# Allegro board SG2042_EVB_V1_1.brd (continued)
## Routing (per net, layer and track width the routed paths; a pad name or vN(x,y) marks a point on that pad's centre or on a via; arc(x,y) is an arc through that point) (continued)
  ART03 w0.102: v1(235.94,219.48) 236.73,220.27 246.71,220.27 v1(246.89,220.09) ; v1(235.94,219.48) 235.15,220.27 213.59,220.27 212.39,219.07 202.01,219.07 201.15,218.22 198.15,218.22 197.3,219.07 178.29,219.07 172.62,213.41 113.83,213.41 112.53,214.71 106.13,214.71 104.83,213.41 87.57,213.41 87.01,213.97 81.3,213.97 80.69,213.36 48.21,213.36 v1(46.71,211.86) 46.04,211.86 44.82,210.64 v1(42.52,210.64) ; v1(235.94,219.48) 235.56,219.1 234.49,219.1 v1(234.11,219.48) 233.93,219.66 213.84,219.66 212.64,218.47 212.31,218.47 202.26,218.47 200.35,216.56 200.02,216.56 176.63,216.56 172.88,212.8 113.57,212.8 112.28,214.1 106.38,214.1 105.08,212.8 87.32,212.8 86.76,213.36 81.56,213.36 80.95,212.75 48.73,212.75 46.63,210.64 v1(45.49,210.64) ; 173.62,207.72 200.26,207.72 203.57,211.02 222.58,211.02 J2014.4 224.26,211.02 231.57,211.02 232.61,212.06 245.52,212.06 v1(246.56,211.02) ; 173.62,207.72 84.79,207.72 v1(84.4,208.1) 84.02,207.72 57.13,207.72 54.31,204.91 54.31,203.35 ; 173.62,207.72 179.13,202.21 v1(181.81,202.21) ; 136.22,230.25 139.47,233.5 254.25,233.5 v1(255.42,232.33) 255.04,231.95 254.08,231.95 v1(253.7,232.33) 252.93,233.1 139.64,233.1 136.39,229.84 88.7,229.84 85.32,226.47 85.32,225.58 v1(84.61,224.87) ; v1(126.62,203.61) 124.94,205.28 58.28,205.28 57.82,204.82 57.82,204.01 v1(57.44,203.63) 57.06,204.01 57.06,204.65 58.09,205.69 134.59,205.69 v1(136.68,203.61) ; 119.28,221.61 126.5,228.83 136.81,228.83 139.5,231.52 252.48,231.52 v1(253.7,230.3) ; v1(246.56,212.34) 246.43,212.47 232.44,212.47 231.4,211.43 203.4,211.43 200.1,208.13 85.38,208.13 84.82,208.69 83.77,208.69 v1(83.19,208.1) ; v1(106.5,203.61) 105.64,204.47 59.45,204.47 v1(58.61,203.63) 58.23,204.01 58.23,204.65 58.45,204.88 115.29,204.88 v1(116.56,203.61) ; 201.67,219.89 200.82,219.03 198.49,219.03 197.64,219.89 ; 201.67,219.89 197.64,219.89 ; 201.67,219.89 212.05,219.89 213.6,221.44 228.8,221.44 229.15,221.08 236.37,221.08 v1(236.96,221.67) 236.58,222.05 236.12,222.05 v1(235.74,221.67) 235.36,222.05 230.28,222.05 v1(230.1,221.87) 229.72,221.49 229.32,221.49 228.96,221.84 213.44,221.84 211.89,220.29 177.78,220.29 172.12,214.63 114.33,214.63 113.04,215.93 105.62,215.93 104.32,214.63 88.08,214.63 87.52,215.19 80.8,215.19 80.19,214.58 47.03,214.58 45.53,213.08 v1(44.96,213.08) ; v1(146.74,203.61) 144.25,206.1 57.93,206.1 56.65,204.82 56.65,204.01 v1(56.27,203.63) 55.89,204.01 55.89,204.76 57.63,206.5 153.9,206.5 v1(156.79,203.61) ; v1(96.44,203.61) 95.99,204.06 60.21,204.06 v1(59.78,203.63) ; v1(60.78,192.86) 60.78,192.58 59.13,190.93 37.54,190.93 36.6,191.87 36.6,192.41 ; v1(44.15,212.27) 45.3,212.27 47.2,214.17 80.36,214.17 80.97,214.78 87.35,214.78 87.91,214.22 104.49,214.22 105.79,215.52 112.87,215.52 114.16,214.22 172.29,214.22 177.95,219.89 197.64,219.89 ; v1(46.3,211.46) 46.86,211.46 48.56,213.16 80.78,213.16 81.39,213.77 86.93,213.77 87.49,213.21 104.91,213.21 106.21,214.5 112.45,214.5 113.74,213.21 172.71,213.21 176.47,216.97 200.19,216.97 202.09,218.87 212.48,218.87 213.67,220.07 234.75,220.07 v1(235.33,219.48) ; 37.52,192.41 37.52,191.87 38.05,191.34 50.77,191.34 54.14,194.72 60.15,194.72 60.44,195.01 ; v1(60.94,203.63) 60.56,203.25 60.56,202.61 62.1,201.07 62.1,197.25 59.98,195.12 54.31,195.12 54.31,195.12 53.98,195.12 50.6,191.74 39.09,191.74 v1(37.97,192.86) ; v1(176.91,203.61) 173.2,207.31 57.3,207.31 54.72,204.74 54.72,204.01 v1(55.1,203.63) 55.48,204.01 55.48,204.93 57.46,206.91 163.55,206.91 v1(166.85,203.61) ; v1(118.85,222.61) 119.7,222.61 126.33,229.24 136.64,229.24 139.34,231.93 252.93,231.93 v1(253.7,231.17) 254.08,231.55 255.64,231.55 255.79,231.4 ; v1(248.11,220.09) 247.52,220.68 225.7,220.68 v1(225.32,221.06) 224.94,220.68 213.42,220.68 212.22,219.48 201.84,219.48 200.98,218.63 198.32,218.63 197.47,219.48 178.12,219.48 172.45,213.82 114,213.82 112.7,215.11 105.96,215.11 104.66,213.82 87.74,213.82 87.18,214.38 81.14,214.38 80.53,213.77 47.37,213.77 45.06,211.46 v1(43.33,211.46)
  ART03 w0.254: 205.96,82.96 J1.96 ; J1.96 205.96,84.28 ; J1.96 206.62,83.62 ; J1.96 205.3,83.62 ; 209.76,157.76 J1.158 ; J1.158 209.1,158.42 ; J1.158 209.76,159.08 ; J1.158 210.42,158.42 ; 69.98,66.81 J3.259 ; J3.259 70.65,67.47 ; J3.259 69.32,67.47 ; J3.259 69.98,68.13 ; J3.22 68.45,151.62 ; J3.22 67.78,152.28 ; J3.22 67.78,150.96 ; J3.22 67.12,151.62 ; J3.283 69.19,47.07 ; J3.105 66.85,75.97 ; J3.105 65.52,75.97 ; J3.105 66.18,76.63 ; J3.105 66.18,75.31 ; J2.17 195.62,155.87 ; J2.17 194.96,155.21 ; J2.17 194.3,155.87 ; J2.17 194.96,156.53 ; 209.76,57.46 J1.270 ; J1.270 209.76,58.78 ; J1.270 210.42,58.12 ; J1.270 209.1,58.12 ; 204.36,77.01 J1.103 ; J1.103 204.36,78.33 ; J1.103 203.7,77.67 ; J1.103 205.02,77.67 ; 74.92,123.57 J4.55 ; J4.55 76.24,123.57 ; J4.55 75.58,124.23 ; 76.52,83.62 J4.96 ; J4.96 77.18,84.28 ; J4.96 77.84,83.62 ; J4.96 77.18,82.96 ; 195.9,153.32 J2.20 ; J2.20 196.56,153.98 ; J2.20 197.22,153.32 ; J2.20 196.56,152.66 ; J4.243 79.38,81.73 ; J4.243 78.72,81.07 ; J4.243 80.04,81.07 ; J4.243 79.38,80.41 ; J1.241 208.82,82.77 ; J1.241 207.5,82.77 ; J1.241 208.16,82.11 ; J1.241 208.16,83.43 ; J1.254 210.42,71.72 ; J1.254 209.76,71.06 ; J1.254 209.76,72.38 ; J1.254 209.1,71.72 ; 198.1,84.47 J2.239 ; J2.239 198.76,83.81 ; J2.239 199.42,84.47 ; J3.147 70.65,167.77 ; J3.147 69.32,167.77 ; J3.147 69.98,168.43 ; J3.147 69.98,167.11 ; 67.12,129.52 J3.48 ; J3.48 68.45,129.52 ; J3.48 67.78,130.18 ; J3.48 67.78,128.86 ; J3.103 66.85,77.67 ; J3.103 66.18,77.01 ; J3.103 65.52,77.67 ; J3.103 66.18,78.33 ; 67.12,165.22 J3.6 ; J3.6 67.78,165.88 ; J3.6 68.45,165.22 ; J3.6 67.78,164.56 ; J2.50 196.56,128.48 ; J2.50 196.56,127.16 ; J2.50 197.22,127.82 ; J2.50 195.9,127.82 ; 205.96,133.58 J1.44 206.62,132.92 ; 209.1,53.02 J1.276 ; J1.276 209.76,52.36 ; J1.276 210.42,53.02 ; J1.276 209.76,53.68 ; J3.193 69.98,129.33 ; J3.193 69.32,128.67 ; J3.193 69.98,128.01 ; J3.193 70.65,128.67 ; J3.243 69.98,81.73 ; J3.243 69.32,81.07 ; J3.243 69.98,80.41 ; J3.243 70.65,81.07 ; J1.112 206.62,70.02 ; J1.112 205.96,70.68 ; J1.112 205.3,70.02 ; J1.112 205.96,69.36 ; 209.76,74.46 J1.250 ; J1.250 209.1,75.12 ; J1.250 209.76,75.78 ; J1.250 210.42,75.12 ; 66.18,73.61 J3.107 ; J3.107 66.85,74.27 ; J3.107 66.18,74.93 ; J3.107 65.52,74.27 ; J1.98 206.62,81.92 ; J1.98 205.3,81.92 ; J1.98 205.96,81.26 ; J1.98 205.96,82.58 ; J3.24 68.45,149.92 ; J3.24 67.12,149.92 ; J3.24 67.78,150.58 ; 198.76,126.31 J2.195 ; J2.195 198.1,126.97 ; J2.195 198.76,127.63 ; J2.195 199.42,126.97 ; 209.1,156.72 J1.160 ; J1.160 209.76,156.06 ; J1.160 210.42,156.72 ; J1.160 209.76,157.38 ; J4.160 80.98,157.38 ; J4.160 81.64,156.72 ; J4.160 80.32,156.72 ; 76.52,129.52 J4.48 ; J4.48 77.84,129.52 ; J4.48 77.18,128.86 ; 207.5,128.67 J1.193 ; J1.193 208.16,128.01 ; J1.193 208.82,128.67 ; J1.193 208.16,129.33 ; 209.1,155.02 J1.162 ; J1.162 209.76,155.68 ; J1.162 210.42,155.02 ; J1.162 209.76,154.36 ; 195.9,70.02 J2.112 ; J2.112 197.22,70.02 ; J2.112 196.56,70.68 ; J2.112 196.56,69.36 ; 198.1,150.77 J2.167 ; J2.167 198.76,151.43 ; J2.167 199.42,150.77 ; 71.58,71.06 J3.254 ; J3.254 71.58,72.38 ; J3.254 70.92,71.72 ; J3.254 72.25,71.72 ; 75.58,78.71 J4.101 ; J4.101 75.58,80.03 ; J4.101 74.92,79.37 ; J4.101 76.24,79.37 ; 80.32,75.12 J4.250 ; J4.250 80.98,75.78 ; J4.250 80.98,74.46 ; 65.52,72.57 J3.109 ; J3.109 66.85,72.57 ; J3.109 66.18,73.23 ; J3.109 66.18,71.91 ; J1.187 208.16,134.43 ; J1.187 208.82,133.77 ; J1.187 207.5,133.77 ; J4.4 77.18,167.58 ; J4.4 77.84,166.92 ; J4.4 76.52,166.92 ; J4.4 77.18,166.26 ; J3.136 67.02,49.62 ; 209.76,136.98 J1.184 210.42,136.32 ; 205.96,167.96 J1.2 ; J1.2 205.3,168.62 ; J1.2 205.96,169.28 ; J1.2 206.62,168.62 ; J3.33 66.18,142.93 ; J3.33 65.52,142.27 ; J3.33 66.85,142.27 ; J3.33 66.18,141.61 ; 209.76,55.76 J1.272 ; J1.272 210.42,56.42 ; J1.272 209.1,56.42 ; J1.272 209.76,57.08 ; J2.158 201.02,158.42 ; J2.158 199.7,158.42 ; J2.158 200.36,157.76 ; J2.158 200.36,159.08 ; J3.151 69.98,165.03 ; J3.151 70.65,164.37 ; J3.151 69.98,163.71 ; J3.151 69.32,164.37 ; 70.1,233.82 ATXPWR1.15 ; ATXPWR1.15 71.56,235.28 ; ATXPWR1.15 73.02,233.82 ; ATXPWR1.15 71.56,232.35 ; J4.257 80.04,69.17 ; J4.257 78.72,69.17 ; J4.257 79.38,68.51 ; J4.257 79.38,69.83 ; 204.36,160.31 J1.11 ; J1.11 205.02,160.97 ; J1.11 203.7,160.97 ; J1.11 204.36,161.63 ; 209.76,120.36 J1.202 ; J1.202 210.42,121.02 ; J1.202 209.76,121.68 ; J1.202 209.1,121.02 ; J2.149 199.42,166.07 ; J2.149 198.76,166.73 ; J2.149 198.1,166.07 ; J2.149 198.76,165.41 ; 203.7,74.27 J1.107 ; J1.107 204.36,73.61 ; J1.107 204.36,74.93 ; J1.107 205.02,74.27 ; 67.78,67.66 J3.114 ; J3.114 67.78,68.98 ; J3.114 68.45,68.32 ; J3.114 67.12,68.32 ; 78.72,167.77 J4.147 ; J4.147 80.04,167.77 ; J4.147 79.38,168.43 ; J4.147 79.38,167.11 ; 77.18,84.66 J4.94 77.84,85.32 ; 80.32,73.42 J4.252 ; J4.252 80.98,74.08 ; J4.252 80.98,72.76 ; 66.18,124.61 J3.53 ; J3.53 66.18,125.93 ; J3.53 65.52,125.27 ; J3.53 66.85,125.27 ; J3.35 66.18,141.23 ; J3.35 66.18,139.91 ; J3.35 66.85,140.57 ; J3.35 65.52,140.57 ; 80.98,77.86 J4.246 ; J4.246 80.32,78.52 ; J4.246 80.98,79.18 ; 70.92,158.42 J3.158 ; J3.158 71.58,159.08 ; J3.158 72.25,158.42 ; J3.158 71.58,157.76 ; 69.98,82.11 J3.241 ; J3.241 69.32,82.77 ; J3.241 69.98,83.43 ; J3.241 70.65,82.77 ; J1.252 210.42,73.42 ; J1.252 209.76,74.08 ; J1.252 209.76,72.76 ; J1.252 209.1,73.42 ; J1.165 208.16,153.13 ; J1.165 208.16,151.81 ; J1.165 208.82,152.47 ; J1.165 207.5,152.47 ; J3.129 66.85,55.57 ; J3.129 66.18,54.91 ; J3.129 65.52,55.57 ; J3.129 66.18,56.23 ; 80.32,158.42 J4.158 ; J4.158 80.98,159.08 ; J4.158 80.98,157.76 ; J4.158 81.64,158.42 ; J2.15 194.96,158.23 ; J2.15 194.3,157.57 ; J2.15 194.96,156.91 ; J2.15 195.62,157.57 ; 209.1,78.52 J1.246 ; J1.246 209.76,79.18 ; J1.246 210.42,78.52 ; J1.246 209.76,77.86 ; J3.156 71.58,160.78 ; J3.156 71.58,159.46 ; J3.156 70.92,160.12 ; J3.156 72.25,160.12 ; 80.98,154.36 J4.162 ; J4.162 80.42,154.46 ; J4.162 81.64,155.02 ; 67.78,152.66 J3.20 ; J3.20 67.12,153.32 ; J3.20 68.45,153.32 ; 205.96,150.96 J1.22 ; J1.22 205.96,152.28 ; J1.22 206.62,151.62 ; J1.22 205.3,151.62 ; 207.5,130.37 J1.191 ; J1.191 208.16,129.71 ; J1.191 208.82,130.37 ; 75.58,75.31 J4.105 ; J4.105 76.24,75.97 ; J4.105 75.58,76.63 ; J4.105 74.92,75.97 ; J1.248 209.76,77.48 ; J1.248 210.42,76.82 ; J1.248 209.1,76.82 ; J1.248 209.76,76.16 ; J2.109 195.62,72.57 ; J2.109 194.96,71.91 ; J2.109 194.96,73.23 ; J4.107 76.24,74.27 ; J4.107 75.58,73.61 ; J4.107 74.92,74.27 ; J4.107 75.58,74.93 ; J1.55 204.36,124.23 ; J1.55 205.02,123.57 ; J1.55 204.36,122.91 ; J1.55 203.7,123.57 ; J3.200 72.25,122.72 ; J3.200 70.92,122.72 ; J3.200 71.58,123.38 ; J2.13 195.62,159.27 ; J2.13 194.3,159.27 ; J2.13 194.96,159.93 ; J2.13 194.96,158.61 ; 76.52,70.02 J4.112 ; J4.112 77.84,70.02 ; J4.112 77.18,69.36 ; J4.112 77.18,70.68 ; 199.7,76.82 J2.248 ; J2.248 201.02,76.82 ; J2.248 200.36,76.16 ; J2.248 200.36,77.48 ; J1.259 208.16,68.13 ; J1.259 208.16,66.81 ; J1.259 207.5,67.47 ; J1.259 208.82,67.47 ; J2.11 195.62,160.97 ; J2.11 194.96,160.31 ; J2.11 194.3,160.97 ; J2.11 194.96,161.63 ; 203.7,157.57 J1.15 ; J1.15 205.02,157.57 ; J1.15 204.36,158.23 ; J1.15 204.36,156.91 ; 78.72,152.47 J4.165 ; J4.165 80.04,152.47 ; J4.165 79.38,151.81 ; J4.165 79.38,153.13 ; J2.259 198.76,68.13 ; J2.259 198.1,67.47 ; J2.259 199.42,67.47 ; 200.36,159.46 J2.156 ; J2.156 199.7,160.12 ; J2.156 201.02,160.12 ; J2.156 200.36,160.78 ; 67.12,146.52 J3.28 ; J3.28 67.78,145.86 ; J3.28 68.45,146.52 ; J4.11 75.58,161.63 ; J4.11 75.58,160.31 ; J4.11 74.92,160.97 ; J4.11 76.24,160.97 ; 67.12,81.92 J3.98 ; J3.98 67.78,81.26 ; J3.98 67.78,82.58 ; J3.98 68.45,81.92 ; J2.98 197.22,81.92 ; J2.98 196.56,81.26 ; J2.98 196.56,82.58 ; J2.98 195.9,81.92 ; J4.151 79.38,165.03 ; J4.151 78.72,164.37 ; J4.151 79.38,163.71 ; J4.151 80.04,164.37 ; J4.193 80.04,128.67 ; J4.193 79.38,128.01 ; J4.193 79.38,129.33 ; J4.193 78.72,128.67 ; 209.1,139.72 J1.180 ; J1.180 209.76,139.06 ; J1.180 210.42,139.72 ; J1.180 209.76,140.38 ; 80.98,123.76 J4.198 ; J4.198 80.98,125.08 ; J4.198 80.32,124.42 ; 198.1,128.67 J2.193 ; J2.193 198.76,128.01 ; J2.193 198.76,129.33 ; J2.193 199.42,128.67 ; J3.2 67.78,169.28 ; J3.2 67.78,167.96 ; J3.2 67.12,168.62 ; J3.2 68.45,168.62 ; 203.7,121.87 J1.57 ; J1.57 205.02,121.87 ; J1.57 204.36,122.53 ; 70.1,238.02 ATXPWR1.3 ; ATXPWR1.3 71.56,239.48 ; ATXPWR1.3 73.02,238.02 ; ATXPWR1.3 71.56,236.55 ; 200.36,77.86 J2.246 ; J2.246 201.02,78.52 ; J2.246 199.7,78.52 ; J2.246 200.36,79.18 ; 209.76,54.06 J1.274 ; J1.274 210.42,54.72 ; J1.274 209.1,54.72 ; J1.274 209.76,55.38 ; 208.16,150.11 J1.167 ; J1.167 208.82,150.77 ; J1.167 207.5,150.77 ; J1.167 208.16,151.43 ; 208.82,62.37 J1.265 208.16,61.71 ; 69.98,165.41 J3.149 ; J3.149 69.32,166.07 ; J3.149 69.98,166.73 ; J3.149 70.65,166.07 ; J3.15 66.85,157.57 ; J3.15 65.52,157.57 ; J3.15 66.18,158.23 ; J3.15 66.18,156.91 ; 209.76,59.16 J1.268 210.42,59.82 ; J4.241 80.04,82.77 ; J4.241 79.38,82.11 ; J4.241 79.38,83.43 ; J4.241 78.72,82.77 ; J2.48 197.22,129.52 ; J2.48 196.56,128.86 ; J2.48 195.9,129.52 ; 208.16,163.71 J1.151 ; J1.151 208.16,165.03 ; J1.151 208.82,164.37 ; J1.151 207.5,164.37 ; J1.169 208.82,149.07 ; J1.169 207.5,149.07 ; J1.169 208.16,149.73 ; J4.2 77.84,168.62 ; J4.2 76.52,168.62 ; J4.2 77.18,167.96 ; J4.2 77.18,169.28 ; 69.98,150.11 J3.167 ; J3.167 70.65,150.77 ; J3.167 69.32,150.77 ; J3.167 69.98,151.43 ; J3.154 72.25,161.82 ; J3.154 71.58,162.48 ; J3.154 70.92,161.82 ; J3.154 71.58,161.16 ; 208.16,83.81 J1.239 ; J1.239 207.5,84.47 ; J1.239 208.82,84.47 ; J1.239 208.16,85.13 ; 199.7,75.12 J2.250 ; J2.250 201.02,75.12 ; J2.250 200.36,75.78 ; J2.250 200.36,74.46 ; 78.72,84.47 J4.239 ; J4.239 80.04,84.47 ; J4.239 79.38,83.81 ; J3.112 68.45,70.02 ; J3.112 67.78,70.68 ; J3.112 67.12,70.02 ; J3.112 67.78,69.36 ; J1.50 205.96,128.48 ; J1.50 205.96,127.16 ; J1.50 206.62,127.82 ; J1.50 205.3,127.82 ; J1.149 208.82,166.07 ; J1.149 207.5,166.07 ; J1.149 208.16,165.41 ; J1.149 208.16,166.73 ; J3.160 72.25,156.72 ; J3.160 71.58,157.38 ; J3.160 70.92,156.72 ; J1.20 206.62,153.32 ; J1.20 205.96,152.66 ; J1.20 205.3,153.32 ; J1.20 205.96,153.98 ; J2.4 196.56,167.58 ; J2.4 195.9,166.92 ; J2.4 197.22,166.92 ; J2.4 196.56,166.26 ; J1.195 208.16,127.63 ; J1.195 208.82,126.97 ; J1.195 207.5,126.97 ; J1.195 208.16,126.31 ; J2.55 194.96,124.23 ; J2.55 194.96,122.91 ; J2.55 195.62,123.57 ; J3.257 69.98,69.83 ; J3.257 70.65,69.17 ; J3.257 69.32,69.17 ; J3.257 69.98,68.51 ; J1.109 204.36,73.23 ; J1.109 203.7,72.57 ; J1.109 204.36,71.91 ; J1.109 205.02,72.57 ; J3.13 66.18,159.93 ; J3.13 65.52,159.27 ; J3.13 66.18,158.61 ; J3.13 66.85,159.27 ; 74.92,159.27 J4.13 ; J4.13 76.24,159.27 ; J4.13 75.58,158.61 ; J4.13 75.58,159.93 ; J1.105 205.02,75.97 ; J1.105 204.36,76.63 ; J1.105 203.7,75.97 ; J1.105 204.36,75.31 ; 205.3,66.62 J1.116 ; J1.116 206.62,66.62 ; J1.116 205.96,67.28 ; J1.13 205.02,159.27 ; J1.13 203.7,159.27 ; J1.13 204.36,159.93 ; J1.13 204.36,158.61 ; J2.105 194.96,76.63 ; J2.105 194.96,75.31 ; J2.105 195.62,75.97 ; J1.257 208.82,69.17 ; J1.257 208.16,69.83 ; J1.257 207.5,69.17 ; J1.257 208.16,68.51 ; J4.254 80.98,72.38 ; J4.254 80.32,71.72 ; J4.254 80.98,71.06 ; 71.58,72.76 J3.252 ; J3.252 71.58,74.08 ; J3.252 70.92,73.42 ; J3.252 72.25,73.42 ; J2.252 200.36,74.08 ; J2.252 201.02,73.42 ; J2.252 200.36,72.76 ; J2.252 199.7,73.42 ; 66.18,121.21 J3.57 ; J3.57 65.52,121.87 ; J3.57 66.85,121.87 ; J3.57 66.18,122.53 ; J1.17 204.36,156.53 ; J1.17 205.02,155.87 ; J1.17 204.36,155.21 ; J1.17 203.7,155.87 ; J3.125 66.85,58.97 ; J3.125 65.52,58.97 ; J3.125 66.18,58.31 ; J3.125 66.18,59.63 ; 78.72,126.97 J4.195 ; J4.195 79.38,127.63 ; J4.195 80.04,126.97 ; J4.195 79.38,126.31 ; 71.58,76.16 J3.248 ; J3.248 72.25,76.82 ; J3.248 71.58,77.48 ; J3.248 70.92,76.82 ; J1.182 209.76,138.68 ; J1.182 209.1,138.02 ; J1.182 209.76,137.36 ; J1.182 210.42,138.02 ; 205.3,165.22 J1.6 ; J1.6 206.62,165.22 ; J1.6 205.96,164.56 ; J1.6 205.96,165.88 ; 67.78,130.56 J3.46 ; J3.46 67.12,131.22 ; J3.46 68.45,131.22 ; 76.52,68.32 J4.114 ; J4.114 77.18,67.66 ; J4.114 77.84,68.32 ; J4.114 77.18,68.98 ; J1.261 208.16,66.43 ; J1.261 208.82,65.77 ; J1.261 207.5,65.77 ; J3.96 68.45,83.62 ; J3.96 67.78,84.28 ; J3.96 67.12,83.62 ; J3.96 67.78,82.96 ; 204.36,162.01 J1.9 ; J1.9 204.36,163.33 ; J1.9 205.02,162.67 ; J1.9 203.7,162.67 ; 196.56,67.66 J2.114 ; J2.114 195.9,68.32 ; J2.114 196.56,68.98 ; J2.114 197.22,68.32 ; 205.96,133.96 J1.42 206.62,134.62 ; 207.5,167.77 J1.147 ; J1.147 208.16,167.11 ; J1.147 208.82,167.77 ; J1.147 208.16,168.43 ; J2.200 201.02,122.72 ; J2.200 200.36,123.38 ; J2.200 199.7,122.72 ; 75.58,71.91 J4.109 ; J4.109 75.58,73.23 ; J4.109 74.92,72.57 ; J4.109 76.24,72.57 ; J1.283 209.04,47.07 ; J2.257 199.42,69.17 ; J2.257 198.1,69.17 ; J2.257 198.76,69.83 ; J2.257 198.76,68.51 ; 198.1,152.47 J2.165 ; J2.165 199.42,152.47 ; J2.165 198.76,153.13 ; J2.165 198.76,151.81 ; 207.5,81.07 J1.243 ; J1.243 208.16,80.41 ; J1.243 208.82,81.07 ; J1.243 208.16,81.73 ; 65.52,160.97 J3.11 ; J3.11 66.18,160.31 ; J3.11 66.18,161.63 ; J3.11 66.85,160.97 ; 205.96,128.86 J1.48 ; J1.48 206.62,129.52 ; J1.48 205.3,129.52 ; 69.32,130.37 J3.191 ; J3.191 69.98,129.71 ; J3.191 70.65,130.37 ; 71.58,123.76 J3.198 ; J3.198 70.92,124.42 ; J3.198 71.58,125.08 ; J3.198 72.25,124.42 ; J1.154 210.42,161.82 ; J1.154 209.76,161.16 ; J1.154 209.76,162.48 ; J1.154 209.1,161.82 ; J4.259 79.38,68.13 ; J4.259 78.72,67.47 ; J4.259 80.04,67.47 ; 74.92,125.27 J4.53 ; J4.53 75.58,125.93 ; J4.53 76.24,125.27 ; J4.53 75.58,124.61 ; J1.156 209.76,160.78 ; J1.156 210.42,160.12 ; J1.156 209.1,160.12 ; J1.156 209.76,159.46 ; 67.78,84.66 J3.94 ; J3.94 68.45,85.32 ; J3.94 67.12,85.32 ; 80.32,160.12 J4.156 ; J4.156 80.98,160.78 ; J4.156 80.98,159.46 ; J4.156 81.64,160.12 ; J2.241 198.76,83.43 ; J2.241 199.42,82.77 ; J2.241 198.1,82.77 ; J2.241 198.76,82.11 ; 195.9,83.62 J2.96 ; J2.96 196.56,84.28 ; J2.96 196.56,82.96 ; J2.96 197.22,83.62 ; J4.202 80.98,121.79 ; 198.1,81.07 J2.243 ; J2.243 198.76,81.73 ; J2.243 198.76,80.41 ; J2.243 199.42,81.07 ; J3.17 66.85,155.87 ; J3.17 66.18,156.53 ; J3.17 65.52,155.87 ; 203.7,125.27 J1.53 ; J1.53 205.02,125.27 ; J1.53 204.36,124.61 ; J1.53 204.36,125.93 ; 67.78,47.26 J3.138 ; J3.138 68.45,47.92 ; J3.138 67.12,47.92 ; J4.9 75.58,163.33 ; J4.9 74.92,162.67 ; J4.9 75.58,162.01 ; J4.9 76.24,162.67 ; J1.176 209.76,143.78 ; J1.176 210.42,143.12 ; J1.176 209.1,143.12 ; J1.176 209.76,142.46 ; 200.36,71.06 J2.254 ; J2.254 201.02,71.72 ; J2.254 199.7,71.72 ; J2.254 200.36,72.38 ; J4.20 77.84,153.32 ; J4.20 77.18,153.98 ; J4.20 76.52,153.32 ; J4.20 77.18,152.66 ; 75.58,156.91 J4.15 ; J4.15 76.24,157.57 ; J4.15 75.58,158.23 ; J4.15 74.92,157.57 ; J4.6 77.18,165.88 ; J4.6 77.84,165.22 ; J4.6 77.18,164.56 ; J4.6 76.52,165.22 ; J3.101 66.85,79.37 ; J3.101 65.52,79.37 ; J3.101 66.18,80.03 ; J3.101 66.18,78.71 ; 66.18,136.51 J3.39 ; J3.39 65.52,137.17 ; J3.39 66.18,137.83 ; J3.39 66.85,137.17 ; J3.37 66.85,138.87 ; J3.37 66.18,139.53 ; J3.37 66.18,138.21 ; J3.37 65.52,138.87 ; 205.96,166.26 J1.4 ; J1.4 205.3,166.92 ; J1.4 206.62,166.92 ; J1.4 205.96,167.58 ; 80.98,161.16 J4.154 ; J4.154 80.32,161.82 ; J4.154 80.98,162.48 ; J4.154 81.64,161.82 ; 194.96,78.71 J2.101 ; J2.101 194.96,80.03 ; J2.101 195.62,79.37 ; J3.9 66.18,163.33 ; J3.9 65.52,162.67 ; J3.9 66.85,162.67 ; J3.9 66.18,162.01 ; J4.22 77.18,152.28 ; J4.22 77.18,150.96 ; J4.22 76.52,151.62 ; J4.22 77.84,151.62 ; 69.98,66.43 J3.261 69.32,65.77 ; 65.52,123.57 J3.55 ; J3.55 66.85,123.57 ; J3.55 66.18,122.91 ; J3.55 66.18,124.23 ; 197.22,85.32 J2.94 196.56,84.66 ; J2.162 201.02,155.02 ; J2.162 199.7,155.02 ; J2.162 200.36,154.36 ; J2.162 200.36,155.68 ; 195.62,121.87 J2.57 194.96,122.53 ; 204.36,78.71 J1.101 ; J1.101 203.7,79.37 ; J1.101 204.36,80.03 ; J1.101 205.02,79.37 ; 196.56,150.96 J2.22 ; J2.22 197.22,151.62 ; J2.22 196.56,152.28 ; J2.22 195.9,151.62 ; J4.103 76.24,77.67 ; J4.103 75.58,78.33 ; J4.103 75.58,77.01 ; J4.103 74.92,77.67 ; 70.92,75.12 J3.250 ; J3.250 72.25,75.12 ; J3.250 71.58,74.46 ; J3.250 71.58,75.78 ; J2.103 195.62,77.67 ; J2.103 194.96,78.33 ; J2.103 194.96,77.01 ; 77.18,127.16 J4.50 ; J4.50 77.18,128.48 ; J4.50 77.84,127.82 ; J4.50 76.52,127.82 ; 194.96,162.01 J2.9 ; J2.9 195.62,162.67 ; J2.9 194.3,162.67 ; J2.9 194.96,163.33 ; J1.178 209.76,142.08 ; J1.178 209.76,140.76 ; J1.178 210.42,141.42 ; J1.178 209.1,141.42 ; J4.98 77.18,82.58 ; J4.98 76.52,81.92 ; J4.98 77.84,81.92 ; J4.98 77.18,81.26 ; J1.94 206.62,85.32 ; J1.94 205.3,85.32 ; J1.94 205.96,84.66 ; 65.52,60.67 J3.123 ; J3.123 66.18,60.01 ; J3.123 66.85,60.67 ; J3.123 66.18,61.33 ; 195.9,168.62 J2.2 ; J2.2 196.56,169.28 ; J2.2 196.56,167.96 ; J2.2 197.22,168.62 ; 198.76,163.71 J2.151 ; J2.151 198.1,164.37 ; J2.151 198.76,165.03 ; J2.151 199.42,164.37 ; 199.7,156.72 J2.160 ; J2.160 200.36,156.06 ; J2.160 201.02,156.72 ; J2.160 200.36,157.38 ; J1.281 209.04,48.77 ; J3.116 67.78,67.28 ; J3.116 67.12,66.62 ; J3.116 68.45,66.62 ; J3.165 69.98,153.13 ; J3.165 70.65,152.47 ; J3.165 69.32,152.47 ; J3.165 69.98,151.81 ; J1.198 210.42,124.42 ; J1.198 209.76,123.76 ; J1.198 209.76,125.08 ; J1.198 209.1,124.42 ; 65.52,143.97 J3.31 66.18,143.31 ; J2.147 199.42,167.77 ; J2.147 198.76,167.11 ; J2.147 198.1,167.77 ; J2.147 198.76,168.43 ; 71.58,154.36 J3.162 72.25,155.02 ; J3.195 69.98,127.63 ; J3.195 70.65,126.97 ; J3.195 69.32,126.97 ; J3.195 69.98,126.31 ; 209.76,122.06 J1.200 ; J1.200 209.76,123.38 ; J1.200 209.1,122.72 ; J1.200 210.42,122.72 ; 194.96,124.61 J2.53 ; J2.53 195.62,125.27 ; J2.53 194.96,125.93 ; J2.107 195.62,74.27 ; J2.107 194.96,73.61 ; J2.107 194.96,74.93 ; J1.114 205.96,68.98 ; J1.114 205.3,68.32 ; J1.114 206.62,68.32 ; J1.114 205.96,67.66 ; 200.36,161.16 J2.154 ; J2.154 199.7,161.82 ; J2.154 201.02,161.82 ; J2.154 200.36,162.48 ; 69.98,83.81 J3.239 69.32,84.47 ; J4.248 80.98,77.48 ; J4.248 80.98,76.16 ; J4.248 80.32,76.82 ; 69.32,149.07 J3.169 69.98,149.73 ; J4.149 80.04,166.07 ; J4.149 79.38,165.41 ; J4.149 79.38,166.73 ; J4.149 78.72,166.07 ; J4.167 79.38,151.43 ; J4.167 80.04,150.77 ; J4.167 78.72,150.77 ; 200.36,123.76 J2.198 ; J2.198 201.02,124.42 ; J2.198 199.7,124.42 ; J2.198 200.36,125.08 ; J1.173 209.06,145.67 ; 75.58,156.53 J4.17 74.92,155.87 ; J3.131 66.85,53.87 ; J3.131 65.52,53.87 ; J3.131 66.18,53.21 ; J3.131 66.18,54.53 ; J4.200 80.98,123.38 ; J4.200 80.32,122.72 ; J4.200 80.98,122.06 ; 71.58,77.86 J3.246 ; J3.246 72.25,78.52 ; J3.246 71.58,79.18 ; J3.246 70.92,78.52 ; 196.56,164.56 J2.6 ; J2.6 197.22,165.22 ; J2.6 195.9,165.22 ; J2.6 196.56,165.88 ; J3.50 68.45,127.82 ; J3.50 67.12,127.82 ; J3.50 67.78,127.16 ; J3.50 67.78,128.48 ; J4.191 79.38,129.65 ; J3.134 67.02,51.32 ; 206.62,149.92 J1.24 205.96,150.58 ; J3.26 66.89,148.22 ; 67.12,166.92 J3.4 ; J3.4 68.45,166.92 ; J3.4 67.78,167.58 ; J3.4 67.78,166.26 ; J3.127 66.18,57.93 ; J3.127 65.52,57.27 ; J3.127 66.85,57.27 ; J3.127 66.18,56.61 ; J1.171 209.06,147.37 ; J1.189 209.06,132.07 ; J3.173 69.24,145.67 ; J1.279 209.04,50.47